# Altium PCB SDC.PcbDoc (part 2 of 3) (continued)
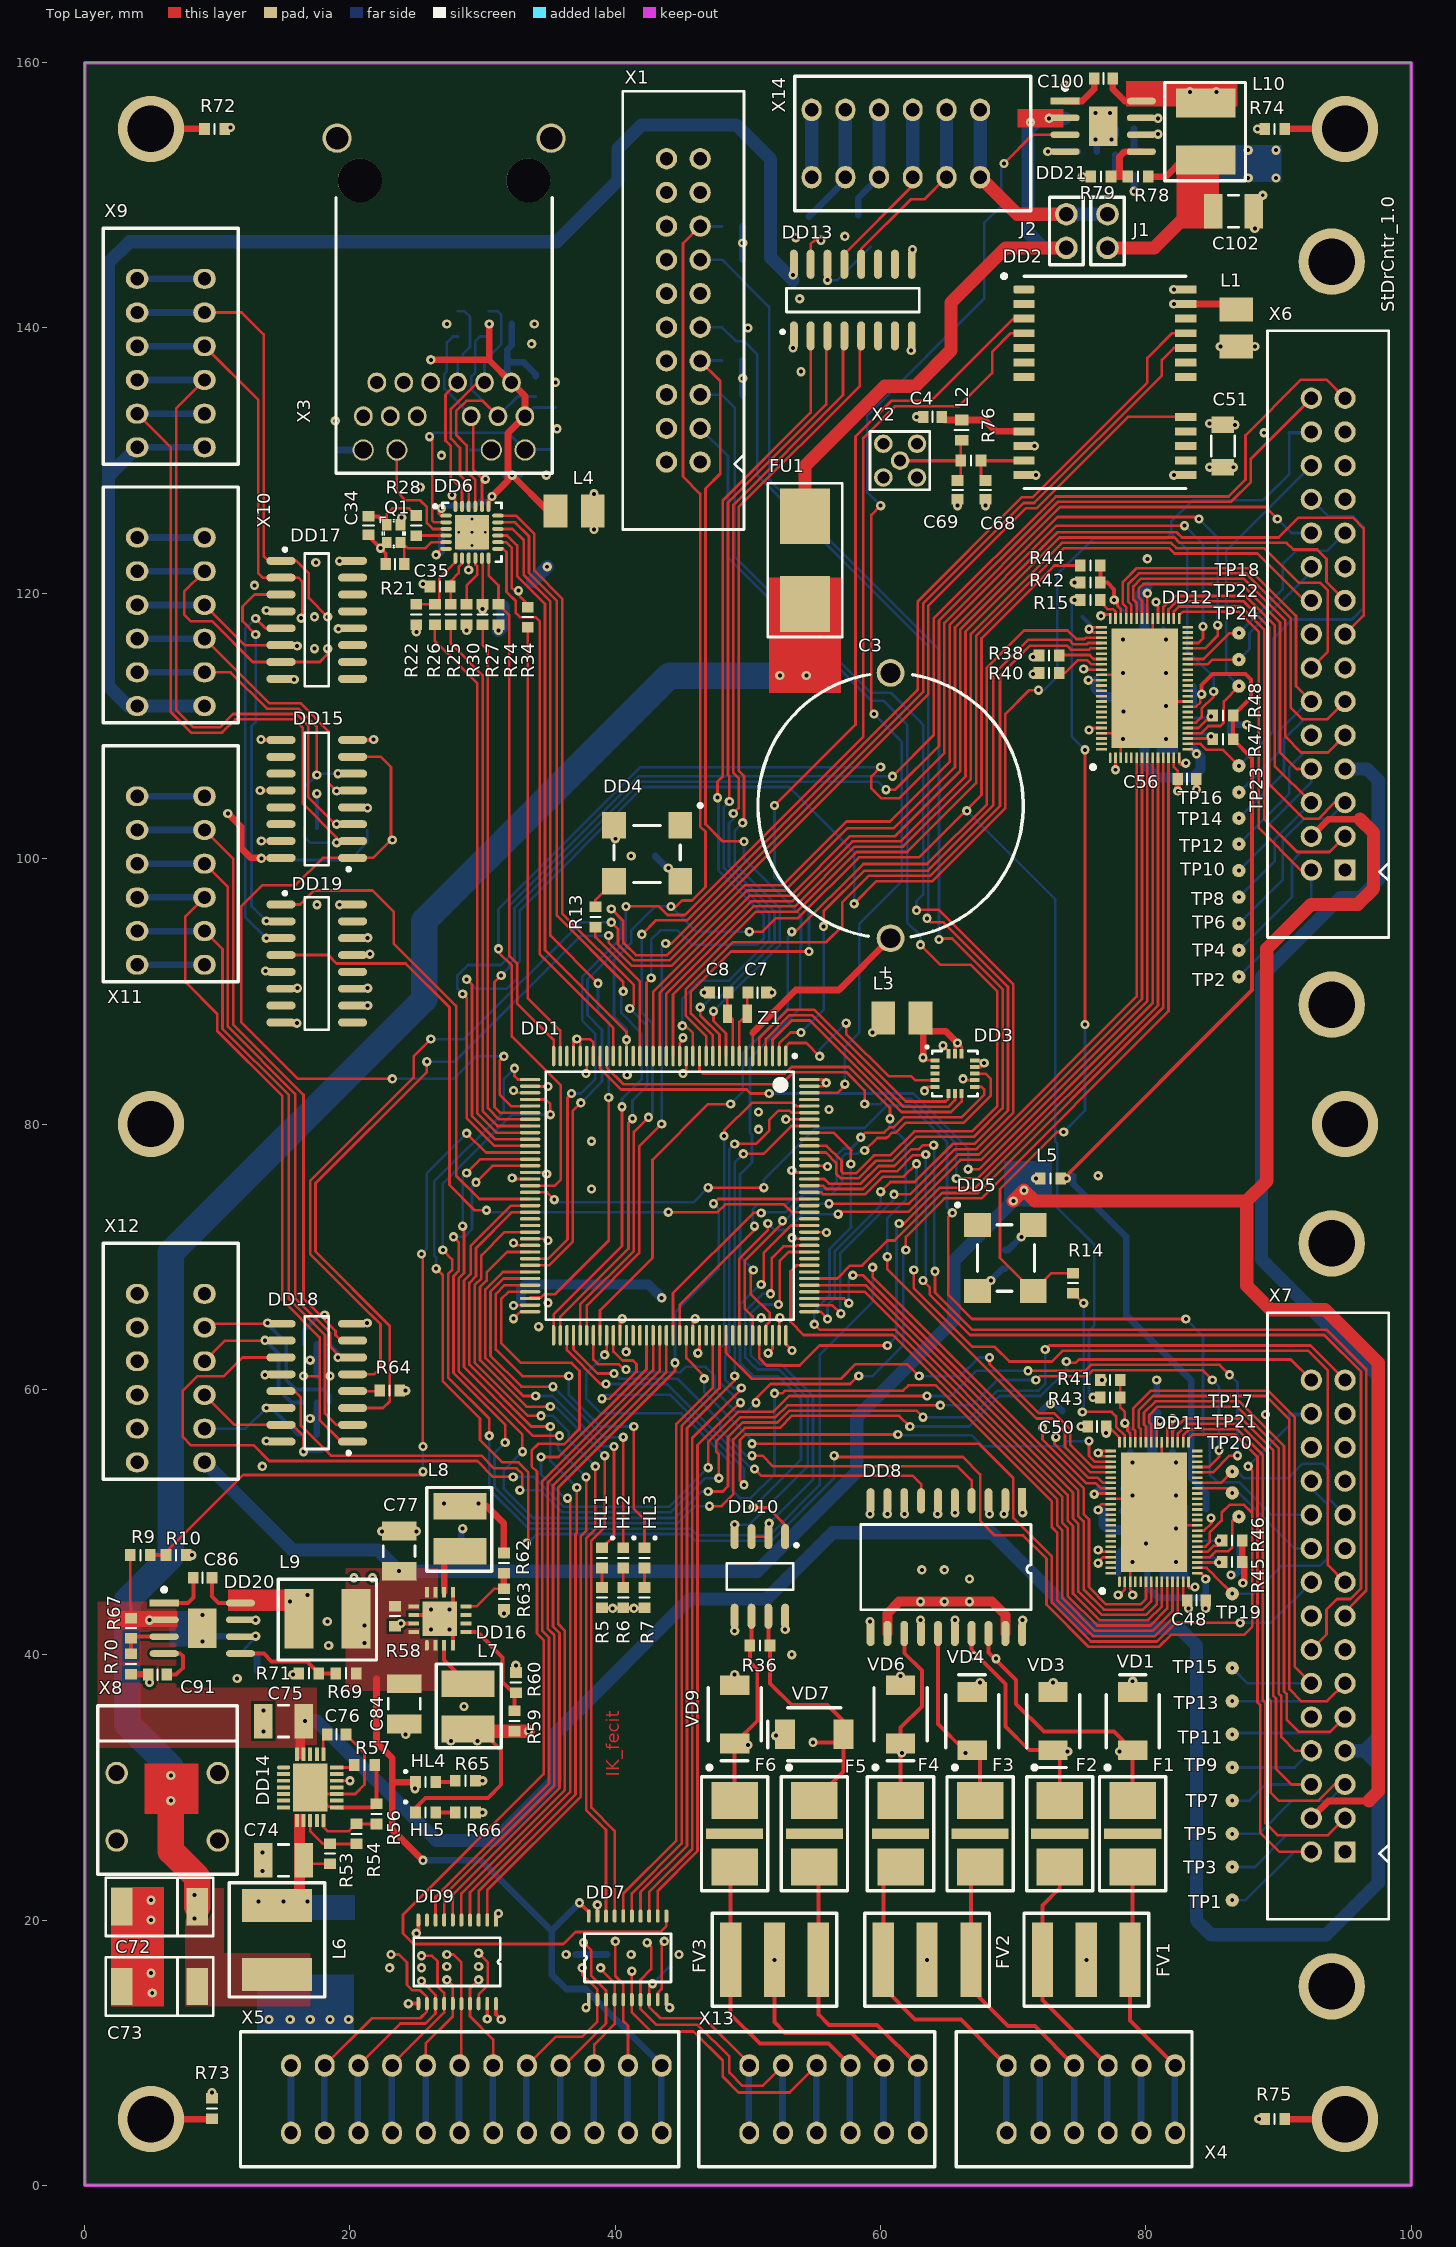
[diagram p0: Top Layer view]
## Nets (pads, with @x,y where several pads share a name; then routed paths per layer and width w, separated by ;. In a path a pad name is that pad's centre, name@x,y a point inside that pad or via, vN(x,y) a via of type N, cw(c..) or ccw(c..) an arc to the next point about the centre after c; other vN are vias at no path point) (continued)
  Bottom Layer w0.2: v1(86.5,29) 87.8,29 89.02,30.22 X7.6@92.46,30.22
B_PWM_WY1_H: DD11.46 TP9.1 X7.8 | length 44.5
  Top Layer w0.2: DD11.46@80.4,56 80.4,57.353 80.25,57.503 80.25,58.084 80.866,58.7 86.866,58.7 90,55.566 90,37.069 90.2,36.869 90.2,33.8 91.24,32.76 X7.8@92.46,32.76
  Bottom Layer w0.2: v1(86.5,31.5) 91.2,31.5 X7.8@92.46,32.76
B_PWM_WY1_L: DD11.47 TP11.1 X7.9 | length 49.4
  Top Layer w0.2: DD11.47@80,56 80,57.187 79.85,57.337 79.85,58.25 80.7,59.1 87.031,59.1 90.4,55.731 90.4,37.234 90.6,37.034 90.6,35.1 91.5,34.2 93.9,34.2 X7.9@95,35.3
  Bottom Layer w0.2: v1@86.6,34.1 93.8,34.1 X7.9@95,35.3
  other v1: 86.5,34
B_PWM_Y2_H: DD11.48 TP13.1 X7.11 | length 49.5
  Top Layer w0.2: DD11.48@79.6,56 79.6,57.021 79.45,57.171 79.45,58.416 80.534,59.5 89.034,59.5 90.8,57.734 90.8,37.4 91.7,36.5 93.66,36.5 X7.11@95,37.84
  Bottom Layer w0.2: v1(86.5,36.5) 93.66,36.5 X7.11@95,37.84
B_PWM_Y2_L: DD11.49 TP15.1 X7.12 | length 43.2
  Top Layer w0.2: DD11.49@79.2,56 79.2,56.856 79.05,57.006 79.05,58.581 80.369,59.9 89.2,59.9 91.2,57.9 91.2,39.1 X7.12@92.46,37.84
  Bottom Layer w0.2: v1(86.5,39) 87.66,37.84 X7.12@92.46,37.84
BRAKE_A: DD12.31 TP22.1 X6.20 | length 13.3
  Top Layer w0.2: DD12.31@83.15,114.65 84.65,114.65 85,115 v1(87,115)
  Bottom Layer w0.2: v1(87,115) 87.8,115.8 87.8,117 92.46,121.66 X6.20@92.46,122
BRAKE_B: DD11.31 TP21.1 X7.20 | length 10.5
  Top Layer w0.2: DD11.31@83.85,52.55 86.15,52.55 v1(86.5,52.2)
  Bottom Layer w0.2: v1(86.5,52.2) 87,52.2 91.2,48 X7.20@92.46,48
DIR_OUT_1: DD1.63 DD7.17 | length 58.9
  Top Layer w0.2: DD1.63@33.575,70.35 31.85,70.35 30.3,68.8 30.3,68.197 29.8,67.697 29.8,62.197 33.297,58.7 v1(35.1,58.7) ; v1(39.2,55) 39.2,49.6 38.2,48.6 38.2,28.472 39.95,26.722 DD7.17@39.95,20.3
  Bottom Layer w0.2: v1(35.1,58.7) 35.5,58.7 v1(39.2,55)
DIR_OUT_1_CN: DD7.3 VD16.3 X5.4 | length 16.4
  Top Layer w0.2: X5.4@36.14,9.04 39.3,12.2 DD7.3@39.3,14 39.3,14.7 38.2,15.8 38.2,17.7 v1(37.6,18.3)
  Bottom Layer w0.5: X5.4@35.84,3.98 X5.4@35.84,9.06
DIR_OUT_2: DD1.98 DD7.15 | length 46.5
  Top Layer w0.2: DD7.15@41.25,20.3 41.25,22.016 45,25.766 45,57.234 47.85,60.084 DD1.98@47.85,64.075
DIR_OUT_2_CN: DD7.5 VD16.4 X5.2 | length 14.8
  Top Layer w0.2: v1(40,18.4) 40,15.766 40.6,15.166 DD7.5@40.6,14 40.6,12.4 40.96,12.04 X5.2@40.96,9.04
  Bottom Layer w0.5: X5.2@40.92,3.98 X5.2@40.92,9.06
DOUT_1: DD1.137 DD7.14 | length 66.5
  Top Layer w0.2: DD7.14@41.9,20.3 41.9,22.1 45.4,25.6 45.4,57.069 49,60.669 v1(49,61) ; v1(49.65,77.75) 51.169,77.75 53.269,79.85 DD1.137@54.625,79.85
  Bottom Layer w0.2: v1(49,61) 49,76.134 49,76.466 49,77.1 v1(49.65,77.75)
DOUT_1_CN: DD7.6 VD19.1 X13.4 | length 26.2
  Top Layer w0.2: v1(41.25,16.15) DD7.6@41.25,14 41.25,13.05 42.7,11.6 45.9,11.6 48.1,9.4 48.1,8.2 49.3,7 53.14,7 X13.4@55.18,9.04
  Bottom Layer w0.5: X13.4@55.14,3.98 X13.4@55.14,9.06
DOUT_2: DD1.139 DD7.13 | length 69.3
  Top Layer w0.2: DD7.13@42.55,20.3 42.55,22.116 45.8,25.366 45.8,56.319 48.931,59.45 48.95,59.45 v1@49.5,60 ; v1(49,78.5) 50.619,78.5 51.6,79.481 51.6,80.3 52.3,81 53.119,81 53.269,80.85 DD1.139@54.625,80.85
  Bottom Layer w0.2: v1(49,78.5) 48.6,78.1 48.6,76.631 48.6,75.969 48.6,62.8 48.3,62.5 48.3,60.7 48.9,60.1 v1(49.5,60.1)
DOUT_2_CN: DD7.7 VD19.3 X13.5 | length 25
  Top Layer w0.2: v1(42.4,18.3) 42.7,18 42.7,16.3 41.9,15.5 DD7.7@41.9,14 41.9,13.3 43.1,12.1 46.2,12.1 48.6,9.7 48.6,8.5 49.6,7.5 51.1,7.5 X13.5@52.64,9.04
  Bottom Layer w0.5: X13.5@52.6,3.98 X13.5@52.6,9.06
DOUT_3: DD1.140 DD7.12 | length 70
  Top Layer w0.2: DD7.12@43.2,20.3 43.2,22.2 46.2,25.2 46.2,55.8 49.4,59 v1(49.434,59) ; v1(48.2,79.1) 48.2,79.5 50.3,81.6 53.4,81.6 53.65,81.35 DD1.140@54.625,81.35
  Bottom Layer w0.2: v1(48.2,79.1) 48.2,63.4 47.9,63.1 47.9,60.534 v1(49.434,59)
DOUT_3_CN: DD7.8 VD19.6 X13.6 | length 18.3
  Top Layer w0.2: v1(42.8,15.2) 42.55,14.95 DD7.8@42.55,14 42.55,13.45 43.4,12.6 46.7,12.6 50.1,9.2 X13.6@50.1,9.04
  Bottom Layer w0.2: v1(42.8,15.2) 44.05,16.45 VD19.6@44.2,16.45
  Bottom Layer w0.5: X13.6@50.06,3.72 X13.6@50.06,8.8
DOUT_4: DD1.69 DD7.11 | length 83.8
  Top Layer w0.2: DD1.69@33.575,67.35 31.95,67.35 31.4,66.8 31.4,63.5 32.9,62 36.7,62 37.3,61.4 37.3,57.031 36.119,55.85 35.531,55.85 35.481,55.9 34.2,55.9 33.7,55.4 33.7,54.2 34.1,53.8 34.1,41.6 34.6,41.1 34.6,31 24,20.4 24,19 24.8,18.2 36.1,18.2 37,19.1 43.4,19.1 43.85,19.55 DD7.11@43.85,20.3
DOUT_4_CN: DD7.9 VD19.4 | length 4.6
  Top Layer w0.2: DD7.9@43.2,14 43.2,14.5 43.5,14.8 43.5,18.2 v1(43.7,18.4)
DRV_A_EN: DD12.32 TP18.1 X6.21 | length 16.9
  Top Layer w0.2: DD12.32@83.15,115.05 84.35,115.05 86.3,117 v1(87,117)
  Bottom Layer w0.2: v1(87,117) 90.3,120.3 90.3,122.2 91.3,123.2 93.66,123.2 X6.21@95,124.54
DRV_B_EN: DD11.32 TP17.1 X7.21 | length 15
  Top Layer w0.2: DD11.32@83.85,52.95 85.65,52.95 v1(86.5,53.8)
  Bottom Layer w0.2: v1(86.5,53.8) 86.9,53.8 87.4,53.3 90.7,53.3 91.8,54.4 93.3,54.4 93.8,53.9 93.8,51.74 X7.21@95,50.54
GND: C1.1 C2.1 C3.1 C4.1 C5.1 C6.1 C7.1 C8.1 C9.1 C10.1 C11.1 C12.1 C13.1 C14.1 C15.1 C16.1 C17.1 C18.1 C19.1 C20.1 C21.1 C22.1 C23.1 C24.1 C25.1 C26.1 C27.1 C28.1 C29.1 C30.1 C31.2 C32.1 C33.1 C34.1 C35.1 C36.1 C37.1 C38.1 C39.1 C40.1 C41.1 C42.1 C43.1 C44.1 C45.1 C46.1 C47.1 C48.1 C49.1 C50.1 C51.1 C52.1 C53.1 C54.1 C55.1 C56.1 C57.1 C58.1 C59.1 C60.1 C61.1 C62.1 C63.1 C64.1 C65.1 C66.1 C67.1 C68.1 C69.1 C70.1 C71.1 C72.2 C73.2 C74.1 C75.1 C77.1 C78.1 C79.1 C80.1 C81.1 C82.1 C83.1 C84.1 C85.1 C87.1 C88.1 C89.1 C90.1 C91.1 C92.2 C93.2 C96.1 C97.1 C98.1 C99.1 C101.1 C102.1 C103.1 C104.1 C105.1 DA1.2 DD1.16 DD1.31 DD1.38 DD1.51 DD1.61 DD1.83 DD1.94 DD1.107 DD1.120 DD1.130 DD2.10 DD2.12 DD2.13 DD2.24 DD3.5 DD3.10 DD3.12 DD3.13 DD3.16 DD4.2 DD5.2 DD6.25 DD7.1 DD7.10 DD7.19 DD8.1 DD8.3 DD8.5 DD8.9 DD8.10 DD9.1 DD9.10 DD9.11 DD9.19 DD10.5 DD11.3 DD11.14 DD11.24 DD11.44 DD11.53 DD11.54 DD11.62 DD11.73 DD11.77 DD12.3 DD12.14 DD12.24 DD12.44 DD12.53 DD12.54 DD12.62 DD12.73 DD12.77 DD13.8 DD13.9 DD14.17 DD15.8 DD15.9 DD15.12 DD15.15 DD16.4 DD16.9 DD16.14 DD16.17 DD17.8 DD17.12 DD18.8 DD18.12 DD19.5 DD19.6 DD19.8 DD19.10 DD19.11 DD19.13 DD19.14 DD20.7 DD20.9 DD21.7 DD21.9 FV3.2 Q1.2 Q1.4 R8.2 R10.1 R11.2 R29.1 R30.1 R31.1 R32.1 R33.1 R37.2 R38.2 R39.2 R40.2 R49.1 R50.1 R51.1 R52.1 R60.1 R63.1 R65.1 R66.1 R70.1 R71.1 R72.2 R73.2 R74.2 R75.2 R79.1 VD7.1 VD9.2 VD11.2 VD11.5 VD12.2 VD12.5 VD13.2 VD13.5 VD14.2 VD14.5 VD15.1 VD16.2 VD16.5 VD17.2 VD17.5 VD18.2 VD18.5 VD19.2 VD19.5 VD20.1 VT1.2 VT2.2 X1.4 X1.6 X1.8 X1.10 X1.12 X1.14 X1.16 X1.18 X1.20 X2.1 X2.2 X2.3 X2.4 X3.17 X5.12 X6.1 X6.10 X6.13 X6.16 X6.19 X6.23 X6.25 X6.27 X7.1 X7.10 X7.13 X7.16 X7.19 X7.23 X7.25 X7.27 X8.2 X9.6 X10.6 X11.6 X12.6 X13.2 X14.1 | length 157.2
  Top Layer w0.2: DD14.17@19,30.5 v1@19.9,30.5 ; DD1.61@33.575,71.35 v1@34.8,71.35 ; DD1.51@33.575,76.35 v1@34.7,76.35 ; DD1.38@33.575,82.85 33.6,82.825 v1(34.925,82.825) ; v1@37.85,83.95 DD1.31@37.85,85.125 ; DD1.83@40.35,64.075 40.35,65.15 v1(40.525,65.325) ; v1@45.1,83.9 45.35,84.15 DD1.16@45.35,85.125 ; DD1.94@45.85,64.075 v1@45.85,65.15 ; DD1.107@52.35,64.075 v1@52.35,65.25 ; v1@53.4,71.35 DD1.120@54.625,71.35 ; v1@53.4,76.5 53.55,76.35 DD1.130@54.625,76.35 ; v1@63.3,82.6 63.5,82.8 DD3.5@64.1,82.8 ; v1(64.7,85.9) 65.1,85.5 DD3.16@65.1,85.3 ; v1(66.2,83.4) 66.3,83.3 DD3.10@67.1,83.3 ; DD3.12@67.1,84.3 67.6,84.3 67.8,84.5 v1(67.8,84.6) 67.6,84.8 DD3.13@67.1,84.8 ; v1@76.5,47 76.5,47.1 76.75,47.35 DD11.73@77.35,47.35 ; v1@76.5,55.1 76.65,54.95 DD11.54@77.35,54.95 ; v1@76.5,55.2 76.65,55.35 DD11.53@77.35,55.35 ; DD12.73@76.65,109.45 DD12.77@77.85,109.45 ; DD12.62@76.65,113.85 DD12.77@78.9,113.85 ; DD12.54@76.65,117.05 76.05,117.05 75.9,117.2 75.9,117.3 76.05,117.45 DD12.53@76.65,117.45 ; DD11.62@77.35,51.75 DD11.77@79,51.75 ; DD12.3@78.1,107.6 DD12.77@78.1,111.05 ; DD11.77@78.8,48.95 DD11.3@78.8,45.5 78.8,44.9 v1@79.1,44.6 ; DD12.77@80.5,113.45 DD12.44@80.5,118.1 ; DD12.77@80.9,111.85 DD12.24@83.15,111.85 ; DD11.77@81.2,51.35 DD11.44@81.2,56 ; DD11.77@81.6,49.75 DD11.24@83.85,49.75 ; DD12.14@82.5,107.6 82.5,107.2 82.6,107.1 82.9,107.1 v1(83,107.2) ; DD11.14@83.2,45.5 83.2,45.1 83.3,45 83.5,45 v1@83.6,45.1
  Top Layer w0.3: v1(13.235,105.135) DD15.12@14.8,105.135 ; v1@13.255,108.945 DD15.9@14.8,108.945 ; v1(13.325,101.325) DD15.15@14.8,101.325 ; DD15.8@20.2,108.945 v1@21.755,108.945 ; C34.1@21.4,124.4 21.4,124.3 v1(22.3,123.4) 22.7,123 C35.1@22.7,122.2 ; v1(24.4,13.7) DD9.11@25.15,13.7 ; DD16.14@24.8,43 DD16.17@26.475,43 ; v1(25,19) 25.15,19.15 DD9.10@25.15,20 ; DD16.4@27.75,40.7 DD16.17@27.75,41.725 ; DD16.17@27.75,43.675 DD16.9@27.75,44.7 ; v1(30.35,12.55) DD9.19@30.35,13.7 ; DD7.19@38.65,20.3 v1(38.65,21.15) ; v1(52,17) 52,12.3 52.8,11.5 57.8,11.5 X13.2@60.26,9.04
  Top Layer w0.5: R70.1@3.5,38.538 C91.1@4.762,38.538 ; v1(83.8,105.2) C56.1@83.8,106.2
  Signal Layer 1 w2: 21,50.5 21,53.9
  Signal Layer 2 w0.5: X12.6@3.96,67.2 X12.6@9.04,67.2
  Bottom Layer w0.3: VD11.5@17.5,102.3 VD11.2@17.5,104.7 v1(17.5,104.9) ; C54.1@75.2,118.2 75.8,117.6 75.7,117.5 v1(75.7,117.3) ; v1@81.3,116.7 C55.1@81.3,117.4
  Bottom Layer w0.5: X11.6@3.92,104.7 X11.6@9,104.7 ; X10.6@3.96,124.2 X10.6@9.04,124.2 ; X9.6@3.96,143.7 X9.6@9.04,143.7 ; 9.6,41.4 C90.1@11.6,41.4 ; X5.12@15.56,3.92 X5.12@15.56,9 ; VD14.2@17.5,56.6 VD14.5@17.5,59 ; VD13.5@17.5,61 VD13.2@17.5,63.4 ; C85.1@28.4,48.376 28.4,49.4 v1(28.5,49.5) ; VD16.2@37,17.4 VD16.5@39.4,17.4 ; X13.2@60.22,3.98 X13.2@60.22,9.06 ; v1(68.3,68.2) 69.2,69.1 C12.1@69.4,69.1 ; R39.2@72.1,58.362 72.638,58.9 v1(72.8,58.9) 73.162,58.9 R37.2@73.7,58.362 ; v1(76.2,154.2) 76.3,154.1 C105.1@76.3,153.3 ; v1(77.4,154.2) 77.7,154.5 C104.1@77.7,155 ; C47.1@77.9,46.2 77.9,47 ; C46.1@78.2,47.9 77.9,47.6 77.9,47 ; C58.1@78.2,50.8 79,51.6 v1(79,52) 78.5,52.5 C96.1@78.3,52.5 ; C39.1@78.8,55.3 78.8,54.7 v1(79,54.5) ; v1(79,47) 77.9,47 ; v1@79.1,150.5 C103.1@79.1,151.5 ; C59.1@80.8,59.6 v1(80.8,60.7) ; C49.1@82,55.3 82,54.75 v1(82.25,54.5) ; R51.1@86.362,109.4 86.362,110.1 ; v1(86.4,46) 86.7,46 87.038,46.338 87.062,46.338 R49.1@87.062,47.3 R50.1@87.062,48.6 ; 86.4,110.1 v1@87.638,110.1
  Bottom Layer w1: X14.1@54.8,151.36 X14.1@54.8,156.44
  other v1: 88.5,5 9.6,7 13.9,12.5 15.5,12.5 17,12.5 18.5,12.5 19.9,12.5 37.8,13.4 44.1,13.4 5.1,14.5 5,16 23,16.4 25.4,16.4 27.3,16.5 29.7,16.5 36.3,17.4 41.2,17.4 44.8,17.4 5,20 31.2,20.5 5,21.5 13.4,23.7 13.4,25.1 30,28.1 20,30.5 30,30.5 52.1,33.9 24.2,34 13.5,34.2 13.5,35.8 28.6,36.1 4.9,37.9 11.5,38.2 15.7,38.5 49,38.5 32.5,39.2 53.3,40 18.4,40.7 8.9,41 49,41.8 26.1,41.9 27.5,41.9 18.3,42.5 12.9,42.6 8.9,43 31.6,43.1 26.1,43.4 27.5,43.4 84.5,43.5 79,44.5 83.7,45.1 20.3,45.8 21.7,45.8 76.4,46.9 82.25,47 8.1,47.5 80,48.4 22.4,49.3 25,49.3 82.25,49.5 59.2,50.6 60.5,50.6 68.2,50.6 65.6,50.7 70.7,50.7 82.25,52 13.4,54.2 76.4,55.2 75.1,57.2 17,57.8 89,58.1 13.6,61.1 17,62.2 34.225,64.725 21.3,65 46.025,65.325 51,65.4 52.4,65.4 34.925,66.525 34.925,71.225 53.325,71.425 76.4,76.1 34.825,76.225 53.3,76.5 38.2,78.7 50.8,79.6 56.1,81.1 63.3,82.5 40.9,83.7 37.8,83.8 45.1,83.8 16,87.6 21.335,88.935 46.7,89.9 51.8,89.9 16.035,90.235 21.335,90.235 13.635,91.535 21.5,92.8 21.335,94.035 17.525,96.525 41.2,100.2 40,101.5 13.29,108.98 21.79,108.98 78.25,109 81.5,109 87.6,110.1 78.3,111.1 81.5,111.5 15.8,113.5 71.5,113.9 78.25,114 81.5,114 71.5,115.2 17.325,115.825 78.25,116.5 81.5,116.5 28.8,117.2 19.125,117.325 17.325,118.225 17.425,122.325 80.1,122.6 23.9,125.7 65.8,126.6 67.9,126.6 25.3,128 34.8,128.9 71.7,128.9 82.1,128.9 26.9,130.4 71.6,131.1 88.9,132.1 35.6,132.4 86.7,132.7 84.8,132.8 18.9,133 62.7,133.3 35.5,135.9 54,136.7 62.3,138.3 33.7,138.8 50,140 27.3,140.3 33.9,140.3 53.9,142.2 82.1,142.9 62.4,145.9 53.6,146.8 57.3,146.9 88.2,147.5 88.8,150 79.1,150.3 87.7,151.3 89.8,151.3 75.2,151.4 87.7,153.4 89.8,153.4 88.4,155 11,155.1 80.9,155.8 76.2,156.2 77.3,156.2 73.9,158.3
  other v2: 29.2,123.6 28.2,124.6 29.2,124.6 30.2,124.6 29.2,125.6
GND_2: C94.1 C95.1 DD8.11 DD8.14 DD8.16 DD8.20 FV1.2 FV2.2 VD1.1 VD3.2 VD4.1 VD6.2 X4.2 X4.5 | length 10.2
  Bottom Layer w0.5: X4.5@72,3.98 X4.5@72,9.06 ; X4.2@79.62,3.98 X4.2@79.62,9.06
  other v1: 63.5,17 75.5,17 67.5,37.9 73,37.9 79,38 61.5,38.4 59.2,42.5 63,42.6 65.6,42.6 70.7,42.6 66.7,45.7 63.1,46.4 64.8,46.4
GPS_ANT: C69.2 L2.2 R76.1 X2.5 | length 7.3
  Top Layer w0.2: C69.2@66.038,128.738 R76.1@66.038,130 L2.2@66.038,131.476
  Top Layer w0.254: X2.5@61.47,130 R76.1@66.038,130
GPS_EINT0: DD1.65 DD2.4 | length 94.3
  Top Layer w0.2: DD1.65@33.575,69.35 35.016,69.35 36.8,71.134 36.8,81 v1(37.4,81.6) ; v1(40.8,96.4) 43.281,96.4 43.931,95.75 45.253,95.75 58.7,109.197 58.7,131.7 61.1,134.1 65.9,134.1 68.4,136.6 68.4,138.2 69.8,139.6 DD2.4@70.8,139.6
  Bottom Layer w0.2: v1(37.4,81.6) 39,83.2 39,87.1 37.9,88.2 37.9,90.9 40.8,93.8 v1(40.8,96.4)
GPS_GPIO: DD1.64 DD2.17 | length 97.9
  Top Layer w0.2: DD1.64@33.575,69.85 34.95,69.85 36.4,71.3 36.4,82 v1(36.7,82.3) ; v1(39.7,96.2) 40.6,95.3 40.6,93.697 41.566,92.731 43.9,92.731 44.069,92.9 44.1,92.9 63.6,112.4 63.6,119.069 70.931,126.4 71.734,126.4 78.634,133.3 DD2.17@83,133.3
  Bottom Layer w0.2: v1(36.7,82.3) 37.4,82.3 38.5,83.4 38.5,86.8 37.5,87.8 37.5,91.066 40.4,93.966 40.4,95.5 v1(39.7,96.2)
GPS_RX: DD1.78 DD2.20 | length 94.4
  Top Layer w0.2: DD1.78@37.85,64.075 37.85,66.319 41.8,70.269 41.8,78.3 v1(43.5,80) ; v1(43.8,93.6) 44.234,93.6 63.2,112.566 63.2,119.234 70.766,126.8 71.569,126.8 81.2,136.431 81.2,137.6 82.1,138.5 DD2.20@83,138.5
  Bottom Layer w0.2: v1(43.5,80) 43.5,93.3 v1(43.8,93.6)
GPS_TX: DD1.77 DD2.21 | length 97.6
  Top Layer w0.2: DD1.77@37.35,64.075 37.35,66.384 41.4,70.434 41.4,79.4 v1(42.5,80.5) ; v1(42,94.3) 43.05,95.35 45.419,95.35 62.8,112.731 62.8,119.4 70.631,127.231 71.434,127.231 80.1,135.897 80.1,137.75 81.95,139.6 DD2.21@83,139.6
  Bottom Layer w0.2: v1(42,94.3) 42,88.366 42.8,87.566 42.8,80.8 v1(42.5,80.5)
IN_1: DD1.22 DD13.2 | length 68.1
  Top Layer w0.2: DD1.22@42.35,85.125 42.35,90.65 v1(42.7,91) ; v1(47.7,104.6) 47.7,105.8 48.1,106.2 48.1,126.997 54.725,133.622 DD13.2@54.725,139.4
  Bottom Layer w0.2: v1(42.7,91) 42.7,93.9 43.4,94.6 44.7,94.6 45.801,93.499 50.699,93.499 51.2,94 51.2,95.7 47.776,99.124 47.776,104.524 v1(47.7,104.6)
IN_2: DD1.15 DD13.3 | length 63.5
  Top Layer w0.2: v1@45,87.4 v1(45.05,87.4) 45.3,87.4 45.85,86.85 DD1.15@45.85,85.125 ; v1(48.6,104.3) 48.6,106.2 48.5,106.3 48.5,126.831 55.895,134.226 55.895,139.3 DD13.3@55.995,139.4
  Bottom Layer w0.2: v1(45.05,87.4) 45.05,89.45 46.4,90.8 48.569,90.8 51.6,93.831 51.6,95.866 48.176,99.29 48.176,103.876 v1(48.6,104.3)
IN_3: DD1.11 DD13.4 | length 63
  Top Layer w0.2: v1(46.4,88.8) 46.4,88.197 47.85,86.747 DD1.11@47.85,85.125 ; v1(48.9,103.4) 49.3,103.8 49.3,106.066 48.9,106.466 48.9,126.666 57.165,134.931 57.165,139.3 DD13.4@57.265,139.4
  Bottom Layer w0.2: v1(46.4,88.8) 46.519,88.8 47.252,89.533 47.867,89.533 52,93.666 52,96.031 48.576,99.456 48.576,102.676 48.9,103 v1(48.9,103.4)
IN_4: DD1.10 DD13.5 | length 62.4
  Top Layer w0.2: v1(47.4,88.5) 47.4,87.763 48.35,86.813 DD1.10@48.35,85.125 ; v1(49.6,102.7) 49.7,102.8 49.7,106.231 49.3,106.631 49.3,126.5 58.435,135.635 58.435,139.3 DD13.5@58.535,139.4
  Bottom Layer w0.2: v1(47.4,88.5) 52.4,93.5 52.4,96.231 49,99.631 49,102.1 v1(49.6,102.7)
INC_ENC_1_A: DD12.35 DD18.3 | length 127
  Top Layer w0.2: DD18.3@20.2,58.595 22.495,58.595 23,59.1 23,64.785 17.4,70.385 17.4,75.534 25.8,83.934 v1(25.8,84.7) ; v1(39.5,94.2) 39.5,93.666 41.234,91.931 44.266,91.931 49.934,97.6 52.8,97.6 57.5,102.3 61,102.3 65.6,106.9 65.6,117.437 73.263,125.1 v1(82.9,125.1) ; DD12.35@83.15,116.25 83.95,116.25 84.3,116.6 v1(84.3,117.5)
  Bottom Layer w0.2: v1(25.8,84.7) 27.9,84.7 37.4,94.2 v1(39.5,94.2) ; v1(82.9,125.1) 84.3,123.7 v1(84.3,117.5)
INC_ENC_1_A_N: DD18.1 VD13.6 X11.3 | length 53.6
  Top Layer w0.2: X11.3@9.04,97.08 7.6,95.64 7.6,90.703 10,88.303 10,87.003 14.9,82.103 14.9,66.734 17.717,63.917 17.717,61 ; v1(16.5,61) 17.717,61 ; DD18.1@20.2,56.055 19.345,56.055 17.717,57.683 17.717,61
  Bottom Layer w0.5: X11.3@3.92,97.08 X11.3@9,97.08
INC_ENC_1_A_P: DD18.2 VD13.4 X11.2 | length 47.6
  Top Layer w0.2: X11.2@9.04,94.54 10.4,93.18 10.4,87.169 15.4,82.169 15.4,66.8 18.117,64.083 18.117,58.183 18.975,57.325 DD18.2@20.2,57.325
  Bottom Layer w0.5: X11.2@3.92,94.54 X11.2@9,94.54
  other v1: 18.5,61
INC_ENC_1_B: DD12.34 DD18.5 | length 128.4
  Top Layer w0.2: DD18.5@20.2,61.135 21.8,61.135 22.3,61.635 22.3,64.919 21.569,65.65 21.55,65.65 17,70.2 17,75.7 24.8,83.5 24.8,85.1 v1(26.1,86.4) ; v1(39.7,95.2) 40.2,94.7 40.2,93.531 41.4,92.331 44.1,92.331 49.769,98 52.634,98 57.434,102.8 60.7,102.8 65.2,107.3 65.2,117.603 73.347,125.75 83.85,125.75 v1(84,125.6) ; DD12.34@83.15,115.85 84.45,115.85 85.4,116.8 v1(85.4,117.6)
  Bottom Layer w0.2: v1(26.1,86.4) 28.6,86.4 37.4,95.2 v1(39.7,95.2) ; v1(84,125.6) 85.4,124.2 v1(85.4,117.6)
INC_ENC_1_B_N: DD18.7 VD13.1 X11.5 | length 52
  Top Layer w0.2: X11.5@9.04,102.16 11.2,100 11.2,87.5 16.5,82.2 16.5,66.831 17.731,65.6 v1(18.1,65.6) 18.1,65.231 18.917,64.414 18.917,64.083 19.325,63.675 DD18.7@20.2,63.675
  Bottom Layer w0.3: VD13.1@16.55,63.4 16.55,64.45 17.7,65.6 v1(18.1,65.6)
  Bottom Layer w0.5: X11.5@3.92,102.16 X11.5@9,102.16
INC_ENC_1_B_P: DD18.6 VD13.3 X11.4 | length 48.7
  Top Layer w0.2: X11.4@9.04,99.62 10.8,97.86 10.8,87.334 15.866,82.269 15.866,66.9 18.517,64.249 18.517,63.183 19.295,62.405 DD18.6@20.2,62.405
  Bottom Layer w0.3: VD13.3@18.45,63.4 19.1,62.75 v1(19.1,62.4)
  Bottom Layer w0.5: X11.4@3.92,99.62 X11.4@9,99.62
INC_ENC_2_A: DD11.35 DD18.13 | length 90.9
  Top Layer w0.2: DD18.13@14.8,59.865 15.835,59.865 16.3,59.4 16.3,57.266 18.566,55 29.9,55 30.85,54.05 32.569,54.05 33,53.619 33,52.6 v1(32.8,52.4) ; v1(47.8,53.3) 47.8,55.1 47.6,55.3 47.6,56.069 49.431,57.9 52.066,57.9 52.966,58.8 v1(64.5,58.8) ; v1(71.7,60.7) 72,61 75.564,61 76.014,61.45 84.25,61.45 v1(85,60.7) ; DD11.35@83.85,54.15 84.75,54.15 85.5,54.9 v1(85.5,55.4) v1@85.5,55.5
  Bottom Layer w0.2: v1(32.8,52.4) 34.315,52.4 35.965,50.75 44.216,50.75 46.766,53.3 v1(47.8,53.3) ; v1(64.5,58.8) 66.9,58.8 68.8,60.7 v1(71.7,60.7) ; v1(85,60.7) 85.5,60.2 v1(85.5,55.4)
INC_ENC_2_A_N: DD18.15 VD14.1 X12.3 | length 17.9
  Top Layer w0.2: X12.3@9.04,59.58 11.295,57.325 DD18.15@14.8,57.325 15.675,57.325 16.5,56.5 v1(16.5,55.3)
  Signal Layer 2 w0.5: X12.3@3.92,59.58 X12.3@9,59.58
  Bottom Layer w0.2: v1(16.5,55.3) 17.9,55.3 18.45,55.85 VD14.1@18.45,56.6
INC_ENC_2_A_P: DD18.14 VD14.3 X12.2 | length 14.1
  Signal Layer 2 w0.5: X12.2@3.92,57.04 X12.2@9,57.04
  Bottom Layer w0.2: X12.2@9.04,57.04 12.14,57.04 v1(13.7,58.6)
  Bottom Layer w0.3: v1(13.7,58.6) 14.1,58.6 16.1,56.6 VD14.3@16.55,56.6
INC_ENC_2_B: DD11.34 DD18.11 | length 108.8
  Top Layer w0.2: DD18.11@14.8,62.405 11.905,62.405 10.5,61 8.5,61 7.4,59.9 7.4,56.4 8,55.8 12.719,55.8 13.919,54.6 29.6,54.6 30.8,53.4 v1(32.3,53.4) ; v1(47,54.1) 47,56.034 49.266,58.3 51.9,58.3 53.1,59.5 v1(63.5,59.5) ; v1(71.1,61.4) 75.398,61.4 75.848,61.85 85.55,61.85 v1(86.3,61.1) ; DD11.34@83.85,53.75 85.05,53.75 86.3,55 v1(86.9,55)
  Bottom Layer w0.2: v1(32.3,53.4) 33.881,53.4 36.131,51.15 44.05,51.15 v1(47,54.1) ; v1(63.5,59.5) 65.3,59.5 67.2,61.4 v1(71.1,61.4) ; v1(86.3,61.1) 86.9,60.5 v1(86.9,55)
INC_ENC_2_B_N: DD18.9 VD14.6 X12.5 | length 19.8
  Top Layer w0.2: X12.5@9.325,64.945 DD18.9@14.8,64.945
  Signal Layer 2 w0.5: X12.5@3.92,64.66 X12.5@9,64.66
  Bottom Layer w0.3: v1@13.7,65 15.2,63.5 15.2,60.7 15.9,60 18,60 18.45,59.55 VD14.6@18.45,59
  other v1: 13.8,65
INC_ENC_2_B_P: DD18.10 VD14.4 X12.4 | length 18
  Top Layer w0.2: X12.4@9.04,62.12 10.595,63.675 DD18.10@14.8,63.675
  Signal Layer 2 w0.5: X12.4@3.92,62.12 X12.4@9,62.12
  Bottom Layer w0.3: v1(13.6,63.7) 14.6,62.7 14.6,60 15.6,59 VD14.4@16.55,59
LED_G: DD6.2 R31.2 X3.16 | length 17.2
  Top Layer w0.2: v1(26,131.8) 26.2,131.6 26.2,125.5 26.35,125.35 DD6.2@27.25,125.35
  Bottom Layer w0.2: v1(26,131.8) 26.3,132.1 31.9,132.1 X3.16@33.2,130.8 ; X3.16@33.238,130.838 R31.2@35.1,130.838
LED_Y: DD6.3 X3.14 | length 8.7
  Top Layer w0.2: X3.14@23.54,130.8 23.54,127.66 24.2,127 25.3,127 25.8,126.5 25.8,125.3 26.25,124.85 DD6.3@27.25,124.85
MDC: DD1.27 DD6.13 | length 42.8
  Top Layer w0.2: DD6.13@31.15,123.35 31.55,123.35 31.8,123.1 31.8,120.1 32.5,119.4 32.5,118.5 32.8,118.2 34,118.2 34.3,117.9 34.3,92.8 39.85,87.25 DD1.27@39.85,85.125
MDIO: DD1.36 DD6.12 R24.2 | length 39.6
  Top Layer w0.2: DD6.12@30.45,122.65 30.45,121.35 31.2,120.6 R24.2@31.2,119.162 32,118.362 32,92.7 32.6,92.1 32.6,89.1 35.35,86.35 DD1.36@35.35,85.125
NetC2_2: C2.2 DD2.23 L1.1 | length 3.4
  Top Layer w0.5: DD2.23@83,141.8 L1.1@86.4,141.8
  other v1: 82.1,141.8
NetC3_2: C3.2 DD1.6 | length 15.1
  Top Layer w0.2: DD1.6@50.35,85.125 50.35,86.85
  Top Layer w0.5: 50.35,86.85 53.6,90.1 56.85,90.1 C3.2@60.75,94
NetC4_2: C4.2 DD2.9 L2.1 | length 6.7
  Top Layer w0.5: C4.2@64.6,133.3 64.838,133.062 L2.1@66.1,133.062 67.838,133.062 68.7,132.2 DD2.9@70.8,132.2
NetC5_2: C5.2 C6.2 DD1.71 DD1.106 | length 24.7
  Top Layer w0.2: v1@32.35,66.35 DD1.71@33.575,66.35 ; v1@51.5,62.7 v1(51.525,62.725) 51.85,63.05 DD1.106@51.85,64.075
  Signal Layer 2 w0.75: v1(43.5,66.9) 47.35,66.9 v1(51.525,62.725)
  Bottom Layer w0.75: C6.2@32.9,66.5 32.9,67.6 33.2,67.9 42.5,67.9 v1(43.5,66.9)
  other v1: 32.325,66.325
NetC7_2: C7.2 DD1.8 Z1.1 | length 5
  Top Layer w0.2: DD1.8@49.35,85.125 49.35,87.7 Z1.1@49.95,88.3 C7.2@49.95,89.85
NetC8_2: C8.2 DD1.9 Z1.2 | length 4.9
  Top Layer w0.2: C8.2@48.45,89.85 Z1.2@48.45,88.3 48.85,87.9 DD1.9@48.85,85.125
NetC9_2: C9.2 C10.2 DD3.1 DD3.14 DD3.15 L3.1 | length 7.5
  Top Layer w0.2: v1@63.4,84.8 DD3.1@64.1,84.8 ; DD3.15@65.6,85.3 65.6,85.9 v1(65.8,86.1) 66.1,85.8 DD3.14@66.1,85.3
  Top Layer w0.5: L3.1@63,87 64.9,87 v1(65.8,86.1) ; v1(63.2,85) L3.1@63.2,86.8
NetC25_2: C25.2 C26.2 C27.2 C31.1 C32.2 C33.2 DA1.5 DD6.1 DD6.19 L4.2 R17.2 R18.2 R19.2 R20.2 X3.6 X3.12 | length 40.8
  Top Layer w0.2: v1@26.7,126.2 26.7,126 26.85,125.85 DD6.1@27.25,125.85
  Top Layer w0.3: DD6.19@30.45,126.55 30.45,127.05 v1(30.7,127.3)
  Top Layer w0.5: v1(26.1,137.6) 30.465,137.6 X3.6@32.175,135.89 33.19,134.875 X3.12@33.19,133.35 31.91,132.07 v1@31.91,128.9 ; 30.5,137.635 v1(30.5,140.3) ; v1(30.7,127.3) 31.91,128.51 v1@31.91,128.9 ; L4.2@35.5,126.2 34.931,126.2 v1(32.231,128.9) v1@31.91,128.9
  Bottom Layer w0.2: X3.12@33.19,133.35 33.84,134 C32.2@35.5,134
  Bottom Layer w0.3: v1(26.9,126.4) v1@27.1,126.6
  Bottom Layer w0.4: v1@27.1,126.6 29.5,126.6 29.8,126.9 C25.2@30.5,126.9
  Bottom Layer w0.5: R17.2@31.662,128.9 v1(32.231,128.9) C27.2@32.8,128.9 ; X3.6@32.175,135.89 31.862,136.203 R20.2@31.862,137.7 ; C31.1@32.2,140.3 32.2,138.7 31.862,138.362 R20.2@31.862,137.7 ; R18.2@34,136.362 34,136.5 C33.2@33.1,137.4 32.162,137.4 R20.2@31.862,137.7
NetC29_2: C29.2 C30.2 DD6.6 | length 2.3
  Top Layer w0.2: v1@26.6,122.9 26.6,123.1 26.85,123.35 DD6.6@27.25,123.35
  Bottom Layer w0.5: C30.2@26.9,123.1 C29.2@26.9,124.4
  other v1: 26.5,122.9